# KiCad board panel.kicad_pcb (continued)
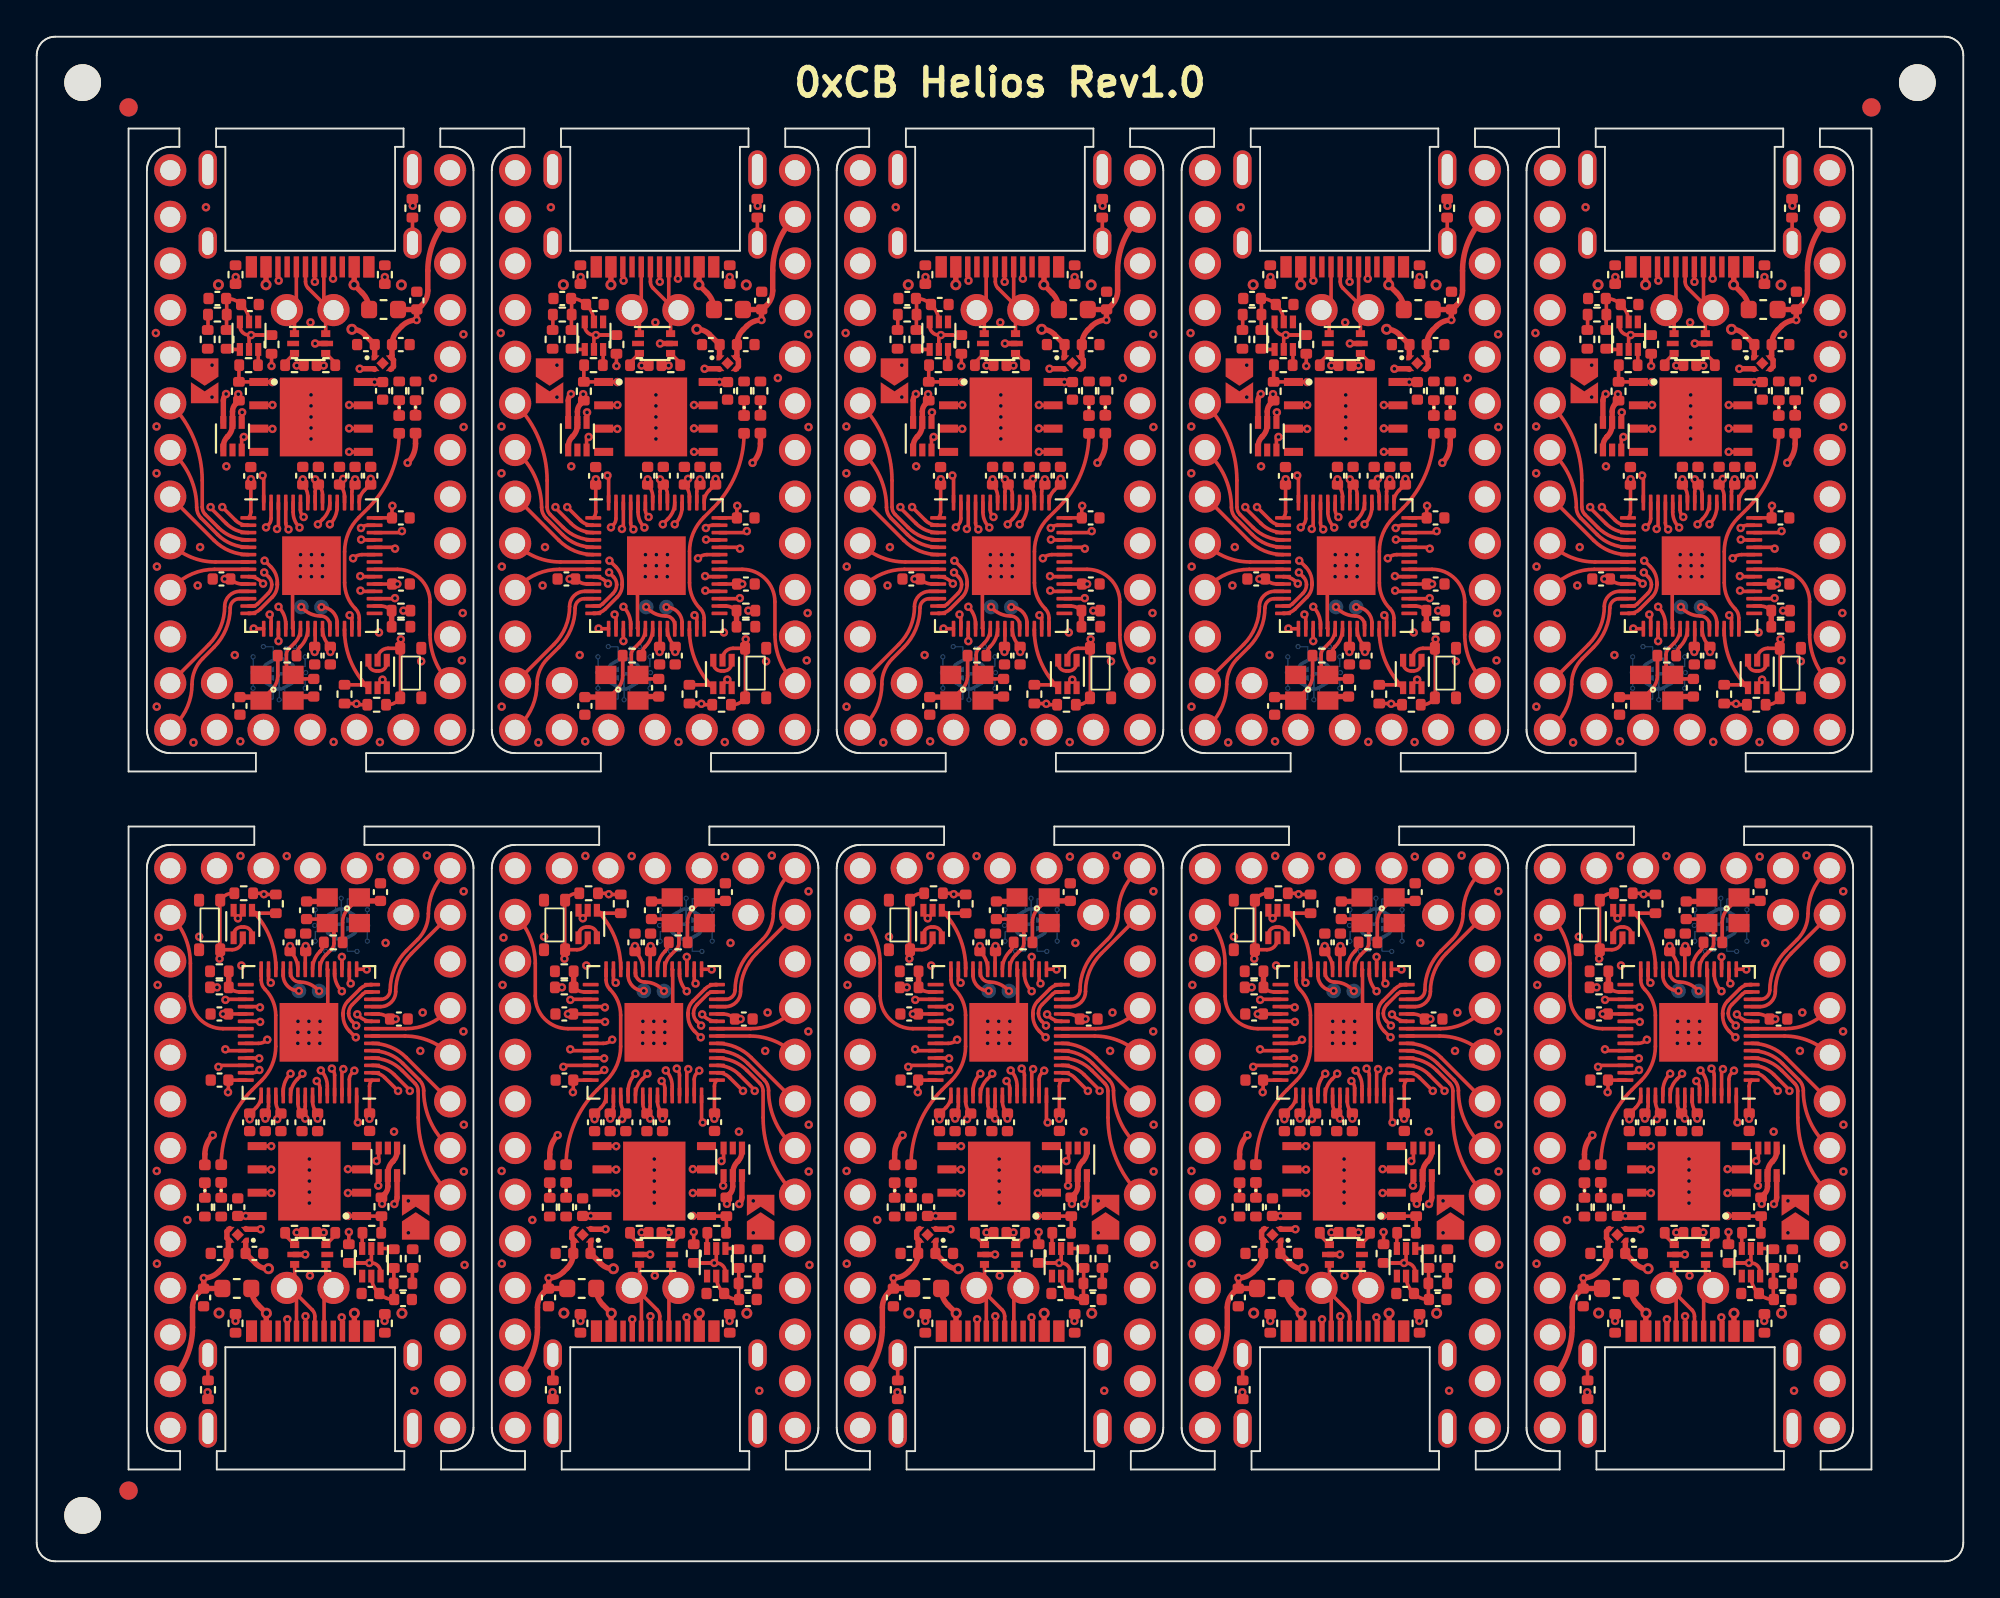
[diagram p0: board, top side]
## Routing (per net, layer and track width the routed paths; a pad name or vN(x,y) marks a point on that pad's centre or on a via; arc(x,y) is an arc through that point) (continued)
Board_3-/LED: length 11.7
  Top w0.2: U4#8.28 73.9,51.38 arc(73.85,51.65) 73.69,51.88 arc(73.26,52.53) 73.11,53.3 73.11,55 arc(73.3,56) 73.87,56.85 74.39,57.36 arc(75.64,59.23) D2#9.2
Board_3-/PORT+: length 7.1
  Top w0.2: v1(71.48,69.69) 71.47,69.7 J1#8.A6 ; J1#8.B6 70.47,68.67 J2#4.34 70.38,67.74 U1#4.1
  In1.Cu w0.2: v1(71.48,69.69) 71.48,69.51 70.12,68.15 J2#4.34
Board_3-/PORT-: length 7.1
  Top w0.2: J1#8.B7 71.97,68.68 J2#4.33 ; J2#4.33 72.31,68.15 71.12,69.34 arc(71.01,69.51) 70.97,69.7 J1#8.A7 ; J2#4.33 72.08,67.73 72.08,66.87
Board_3-/QSPI_CLK: length 11.3
  Top w0.2: v1(73.35,61.71) 73.36,61.7 U3#2.6 ; U4#8.52 70.3,57.15 arc(70.39,56.69) v1(70.65,56.31)
  In2.Cu w0.2: v1(70.65,56.31) 70.65,56.41 arc(70.19,57.1) 70.03,57.91 70.03,59.19 arc(70.2,59.61) 70.62,59.78 73.32,59.78 arc(73.68,59.93) 73.82,60.28 73.82,60.56 arc(73.7,61.18) v1(73.35,61.71)
Board_3-/QSPI_CS: length 9.6
  Top w0.2: v1(69.17,64.23) 69.17,64.24 U3#2.1 68.42,64.24 R11#10.2 67.35,65.14 R9#10.1 ; 68.7,57.69 68.7,59.08 v1(68.64,59.14)
  In2.Cu w0.2: v1(68.64,59.14) arc(68.46,59.4) 68.4,59.7 68.4,62.36 arc(68.6,63.37) v1(69.17,64.23)
Board_3-/QSPI_SD0: length 11.3
  Top w0.2: U4#8.53 69.9,56.56 arc(69.94,56.37) 70.05,56.21 v1(70.05,56.21) ; U3#2.5 73.36,60.43 v1(73.35,60.43)
  In2.Cu w0.2: v1(73.35,60.43) 73.29,60.37 arc(72.97,60.15) 72.59,60.08 arc(72.49,60.12) 72.44,60.23 72.44,60.48 arc(72.4,60.59) 72.3,60.63 arc(72.19,60.59) 72.14,60.48 72.14,60.23 arc(72.1,60.12) 72,60.08 arc(71.89,60.12) 71.84,60.23 71.84,60.48 arc(71.8,60.59) 71.69,60.63 arc(71.59,60.59) 71.55,60.48 71.55,60.23 arc(71.5,60.12) 71.39,60.08 70.56,60.08 arc(69.97,59.83) 69.72,59.24 69.72,57.06 arc(69.81,56.64) 70.05,56.28 v1(70.05,56.21)
Board_3-/QSPI_SD1: length 11.4
  Top w0.2: v1(68.83,56.32) 68.95,56.44 arc(69.06,56.61) 69.1,56.8 U4#8.55 ; v1(69.17,62.98) 69.16,62.97 U3#2.2
  In2.Cu w0.2: v1(68.83,56.32) 68.99,56.48 arc(69.09,56.63) 69.12,56.8 arc(69.08,56.91) 68.97,56.95 68.88,56.95 arc(68.77,56.99) 68.72,57.1 arc(68.77,57.21) 68.88,57.25 68.97,57.25 arc(69.08,57.29) 69.12,57.4 arc(69.08,57.51) 68.97,57.55 68.88,57.55 arc(68.77,57.59) 68.72,57.7 arc(68.77,57.81) 68.88,57.85 68.97,57.85 arc(69.08,57.89) 69.12,58 arc(69.08,58.11) 68.97,58.15 68.88,58.15 arc(68.77,58.19) 68.72,58.3 arc(68.77,58.41) 68.88,58.45 68.97,58.45 arc(69.08,58.49) 69.12,58.6 69.12,59.16 arc(69.09,59.35) 68.98,59.51 68.85,59.64 arc(68.74,59.81) 68.7,60 68.7,60.34 arc(68.74,60.44) 68.85,60.49 68.95,60.49 arc(69.06,60.53) 69.1,60.64 arc(69.06,60.74) 68.95,60.79 68.85,60.79 arc(68.74,60.83) 68.7,60.94 68.7,61.84 arc(68.82,62.45) v1(69.17,62.98)
Board_3-/QSPI_SD2: length 11.3
  Top w0.2: v1(69.17,61.68) 69.16,61.7 U3#2.3 ; v1(69.42,56.23) 69.5,56.31 U4#8.54
  In2.Cu w0.2: v1(69.42,56.23) 69.42,60.23 arc(69.47,60.34) 69.58,60.38 70.28,60.38 arc(70.38,60.42) 70.42,60.53 arc(70.38,60.64) 70.28,60.68 69.58,60.68 arc(69.47,60.72) 69.42,60.83 arc(69.47,60.94) 69.58,60.98 70.28,60.98 arc(70.38,61.02) 70.42,61.13 arc(70.38,61.24) 70.28,61.28 69.58,61.28 arc(69.47,61.32) 69.42,61.43 v1(69.17,61.68)
Board_3-/QSPI_SD3: length 11.4
  Top w0.2: v1(73.35,62.98) 73.36,62.97 U3#2.7 ; v1(70.88,56.88) 70.85,56.91 arc(70.74,57.07) 70.7,57.26 U4#8.51
  In2.Cu w0.2: v1(70.88,56.88) arc(70.47,57.49) 70.33,58.2 70.33,59.13 arc(70.42,59.36) 70.66,59.46 73.34,59.46 arc(73.92,59.7) 74.17,60.28 74.17,61.01 arc(73.95,62.08) v1(73.35,62.98)
Board_3-/RESET: length 24.4
  Top w0.2: 76.15,49.73 76.15,50.21 v1(76.17,50.22) ; 76.15,49.73 76.15,47.24 arc(76.11,47.05) 76,46.88 arc(75.75,46.71) 75.45,46.66 R1.2 ; 76.15,49.73 75.48,49.73 arc(75.07,49.56) 74.9,49.15 Q1#6.2
  In2.Cu w0.2: J2#4.28 arc(77.71,66.44) 77.31,64.43 77.31,52.98 arc(77.01,51.49) v1(76.17,50.22)
Board_3-/RGB_5V: length 17.5
  Top w0.2: U5#3.4 67.5,62.56 v1(67.53,62.58)
  In2.Cu w0.2: J2#4.32 arc(66.46,49.38) 67.34,50.7 69.25,52.6 arc(69.6,53.12) 69.72,53.73 arc(69.61,54.28) 69.3,54.75 68.03,56.02 arc(67.37,57) 67.14,58.16 67.14,61.65 arc(67.24,62.15) v1(67.53,62.58)
Board_3-/RGB_DO: length 15.4
  Top w0.2: U4#8.37 74.05,54.83 arc(73.79,54.78) v1(73.56,54.63) ; U5#3.3 67.5,61.13 v1(67.61,61.24)
  In1.Cu w0.2: v1(73.56,54.63) 73.22,54.98 arc(72.52,55.44) 71.7,55.6 68.46,55.6 arc(68.01,55.79) 67.82,56.25 67.82,56.76 arc(67.67,57.53) 67.23,58.18 66.46,58.96 arc(66.04,59.58) 65.89,60.31 arc(66.17,60.97) 66.82,61.24 v1(67.61,61.24)
Board_3-/RST: length 4.9
  Top w0.2: U4#8.26 73.1,50.72 arc(73.44,49.02) Q1#6.4 74.39,47.59 arc(74.22,47.7) 74.03,47.74 R3#3.2
Board_3-/SWD_CLK: length 2.2
  Top w0.2: U4#8.24 72.3,50.99 arc(72.15,51.34) 71.8,51.49 arc(71.28,51.59) 70.84,51.89 v1(70.75,51.98)
Board_3-/SWD_IO: length 1.7
  Top w0.2: U4#8.25 72.7,51.12 arc(72.45,51.72) v1(71.84,51.97)
Board_3-/USB+: length 0.9
  Top w0.2: R12#8.1 69.86,65.28 U1#4.3
Board_3-/USB-: length 0.9
  Top w0.2: R13#5.1 72.59,65.27 72.08,65.79
Board_3-GND: length 7.7
  Top w0.2: U4#8.19 70.27,50.82 70.27,53.2 v1(71.3,54.23) ; Q1#6.1 75.4,48.92 arc(75.27,48.62) 74.97,48.5 74.83,48.5 arc(74.53,48.62) 74.4,48.92 Q1#6.3
  Top w0.3: Y1#6.2 70.52,47.1 C7#9.1 ; v1(73.92,64.96) 74.7,64.96 U2#5.2
  vias: v1(62.83,66.9) v1(62.86,61.81) v1(62.86,59.26) v1(62.89,54.18) v1(62.88,46.55) v1(64.88,44.6) v1(65.11,53.15) v1(65.23,55.24) v1(65.56,73.75) v1(67.12,49.36) v1(67.42,44.66) v1(70.7,54.83) v1(70.7,54.23) v1(70.69,53.63) v1(71.25,67.48) v1(71.28,63.53) v1(71.28,62.93) v1(71.28,62.33) v1(71.28,61.73) v1(71.28,61.13) v1(71.3,54.83) v1(71.3,53.63) v1(71.91,54.83) v1(71.9,54.23) v1(71.89,53.63) v1(72.5,44.63) v1(74.97,50.59) v1(75.03,44.62) v1(76.81,73.83) v1(77.28,49.02) v1(77.92,64.45) v1(79.53,51.65) v1(79.48,49.07) v1(79.58,66.83) v1(79.58,61.78) v2(66.23,69.53) v2(76.19,69.52)
Board_3-Net-(C1-Pad1): length 3.7
  Top w0.2: 66.67,67.06 66.67,67.9 R5#3.1 66.69,68.75 C1#9.1 66.69,68.78 arc(67.11,68.7) C2#10.1 67.53,68.39 arc(67.8,67.99) Q2#4.5
Board_3-Net-(C7-Pad2): length 4.1
  Top w0.2: C7#9.2 70.52,48.06 Y1#6.3 70.08,48.5 arc(69.97,48.66) 69.94,48.85 69.94,49.38 arc(69.97,49.56) 70.07,49.71 70.38,50.02 arc(70.62,50.37) U4#8.20
Board_3-Net-(C8-Pad2): length 4
  Top w0.2: Y1#6.1 69.15,47.48 arc(69.38,47.83) 69.47,48.24 R14#8.1
  Top w0.3: C8#3.2 68.36,47.07 Y1#6.1
Board_3-Net-(D1-Pad1): length 0.8
  Top w0.2: D1#9.1 R10#8.1
Board_3-Net-(D1-Pad2): length 24.6
  Top w0.2: v1(65.89,63.41) 65.65,63.41 JP1#6.2
  Top w0.3: D1#9.2 76.97,60.87 arc(76.85,60.31) v1(76.53,59.83)
  In1.Cu w0.2: v1(76.53,59.83) 76.51,59.83 73.67,56.99 arc(73.31,56.12) 73.67,55.25 73.91,55.01 arc(74.05,54.65) 73.91,54.3 73.89,54.28 arc(73.54,54.14) 73.18,54.28 72.47,54.99 arc(72.13,55.22) 71.72,55.3 68.44,55.3 arc(67.79,55.58) 67.52,56.23 67.52,56.62 arc(67.36,57.41) 66.91,58.08 66.16,58.83 arc(65.74,59.46) 65.59,60.2 65.59,62.71 arc(65.67,63.09) v1(65.89,63.41)
Board_3-Net-(D2-Pad1): length 0.8
  Top w0.2: D2#9.1 R15#8.1
Board_3-Net-(FB1-Pad1): length 1.4
  Top w0.2: J1#8.S1 76.8,73.19 FB1#9.1
Board_3-Net-(J1-PadA5): length 4
  Top w0.2: J1#8.A5 v1(72.47,69.86) ; R7#6.2 v1(75.3,69.95)
  In1.Cu w0.2: v1(72.47,69.86) 72.67,70.05 75.19,70.05 v1(75.3,69.95)
Board_3-Net-(J1-PadB5): length 3.7
  Top w0.2: R8#10.2 67.17,69.94 v1(67.17,69.95) ; J1#8.B5 69.47,69.79 v1(69.51,69.75)
  In1.Cu w0.2: v1(69.51,69.75) 69.21,70.05 67.28,70.05 v1(67.17,69.95)
Board_3-Net-(Q1-Pad5): length 28.5
  Top w0.2: R2#9.2 68.65,66.79 ; 68.65,66.79 67.9,66.79 arc(67.55,66.94) 67.4,67.29 Q2#4.6 ; 68.65,66.79 v1(68.01,66.79) 67.9,66.68 Q2#4.2 ; Q1#6.6 75.4,47.79 v1(75.17,48.02) 74.9,47.76 Q1#6.5
  In2.Cu w0.2: v1(75.17,48.02) 75.16,48.02 73.42,48.02 arc(71.01,49.02) 70.02,51.42 70.02,53.82 arc(69.9,54.4) 69.57,54.9 68.32,56.15 arc(67.67,57.12) 67.44,58.27 67.44,59.25 arc(67.53,59.72) 67.8,60.12 arc(68.02,60.45) 68.1,60.84 68.1,63.41 arc(68.05,63.64) 67.92,63.84 67.89,63.88 arc(67.78,64.04) 67.74,64.23 67.74,66.31 arc(67.78,66.5) 67.89,66.67 v1(68.01,66.79)
Board_3-Net-(Q2-Pad1): length 0.7
  Top w0.2: Q2#4.1 66.72,66.01 R4#6.1
Board_3-Net-(R5-Pad2): length 0.8
  Top w0.2: R5#3.2 65.67,67.08 65.65,67.06
Board_3-Net-(R14-Pad2): length 1.6
  Top w0.2: U4#8.21 arc(71,50.27) 70.7,49.83 70.68,49.81 arc(70.54,49.59) R14#8.2
Board_3-VBUS: length 28.7
  Top w0.2: v1(76.31,51.78) R16#5.1
  Top w0.3: v2(68.83,69.53) J1#8.A9 ; J1#8.A4 73.62,69.54 v2(73.61,69.53) 74.06,69.08 arc(74.34,68.67) F1#8.1
  In2.Cu w0.2: v2(73.61,69.53) arc(76.13,65.77) 77.01,61.34 77.01,53.48 arc(76.83,52.56) v1(76.31,51.78)
  In2.Cu w0.3: v2(73.61,69.53) arc(73.35,70.18) 72.7,70.45 69.74,70.45 arc(69.09,70.18) v2(68.83,69.53)
Board_4-+1V1: length 15.6
  Top w0.2: v1(91.11,49.53) C19#10.1 91.07,49.84 arc(90.78,50.28) U4.23 ; U4.45 91.88,57.99 arc(91.81,58.35) C10#5.2 ; v1(89.61,58.93) C17#7.1 arc(89.81,58.35) 89.88,57.99 U4.50
  In2.Cu w0.2: v1(89.61,58.93) 90.68,57.86 ; 90.68,57.86 91.1,57.43 arc(91.47,56.88) 91.61,56.22 91.61,50.74 arc(91.48,50.08) v1(91.11,49.53) ; 90.68,57.86 90.7,57.86 v1(91.81,58.96)
Board_4-+3V3: length 20.9
  Top w0.2: R11#7.1 86.13,63.54 v1(86.09,63.57) ; U3#9.8 93.51,64.24 v1(93.52,64.23) C6#7.1 ; C14#4.1 90.45,58.76 v1(90.28,58.93) ; C14#4.1 90.43,58.62 arc(90.32,58.46) 90.28,58.27 U4.49 ; C14#4.1 arc(90.62,58.4) 90.68,58.11 U4.48 ; 86.78,58.35 86.78,57.16 arc(86.74,56.98) U4.1 ; v1(86.78,58.94) 86.78,58.93 C16#10.1 ; R2#3.1 v1(87.91,65.11) ; v1(94.75,53.23) C12#7.1 93.49,53.23 ; v1(94.48,57.49) 94.47,57.47 C13#8.1 93.49,56.83 ; v1(85.36,53.51) C15#5.1 arc(85.96,53.3) 86.32,53.23 U4.10 ; R1#2.1 92.58,46.66 v1(92.53,46.71) 92.52,46.72 R3#4.1 ; v1(92.45,58.93) C9#9.2 92.43,58.62 arc(92.32,58.46) 92.28,58.27 U4.44 ; U4.22 90.28,49.84 C11#2.1 ; v1(93.31,58.96) 93.31,58.68 92.95,58.33 arc(92.75,58.03) U4.43
  Top w0.3: C5#3.1 92.97,66.83 arc(92.65,67.04) 92.28,67.11 ; U2#9.1 93.52,66.27 ; R11#7.1 85.95,63.04 arc(85.83,62.85) 85.78,62.62 U5#6.5 85.78,61.91 arc(85.71,61.56) 85.51,61.26 85.5,61.25 arc(85.34,61.01) 85.28,60.72 U5#6.1
  vias: v1(84.67,65.15) v1(85.44,59.64) v1(90.25,49.53) v2(92.28,67.11)
Board_4-+5V: length 25.3
  Top w0.3: U2#9.3 94.54,65.07 94.54,65.44 U2#9.4 94.47,65.67 C4#6.1 arc(94.55,66.7) 94.8,67.07 95,67.28 arc(95.37,67.52) v1(95.81,67.61) 95.81,68.18 ; 95.81,68.18 F1#6.2 ; 95.81,68.18 C3#9.1 95.86,68.19 96.08,68.41 arc(96.33,68.78) 96.42,69.21 96.42,70.3 arc(96.73,71.88) J2#8.30 ; v1(85.43,63.58) 85.43,63.58 arc(85.32,63.41) 85.28,63.22 U5#6.6 ; U1#7.5 v1(90.28,66.33)
  In1.Cu w0.3: v1(85.43,63.58) arc(86.21,65.47) 88.11,66.26 90.2,66.26 v1(90.28,66.33) 90.36,66.25 92.52,66.25 arc(94.3,66.6) v1(95.81,67.61)
Board_4-/0_TX0: length 18.4
  Top w0.2: v1(85.22,57.42) 85.95,56.7 arc(86.24,56.5) 86.59,56.43 U4.2
  In1.Cu w0.2: J2#8.2 82.39,72.66 arc(82.43,72.47) 82.54,72.31 82.57,72.27 arc(83.46,70.94) 83.78,69.36 83.78,60.13 arc(83.96,59.22) 84.47,58.45 85.03,57.89 arc(85.17,57.67) v1(85.22,57.42)
Board_4-/1_RX0: length 16.4
  Top w0.2: v1(84.58,57.42) 84.58,57.38 85.43,56.53 arc(85.99,56.16) U4.3
  In1.Cu w0.2: v1(84.58,57.42) 84.58,57.44 arc(84.5,57.88) 84.25,58.24 arc(83.68,59.11) 83.47,60.12 83.47,68.07 arc(83.19,69.49) J2#8.3
Board_4-/2_SDA1: length 9.4
  Top w0.2: U4.4 arc(85.76,55.81) 85.01,56.31 84.3,57.01 arc(84.17,57.2) 84.13,57.43 84.13,58.87 arc(83.68,61.14) J2#8.6
Board_4-/3_SCL1: length 7.3
  Top w0.2: J2#8.7 82.64,60.28 arc(83.52,58.96) 83.83,57.4 arc(83.89,57.09) 84.07,56.82 84.97,55.92 arc(85.74,55.41) U4.5
Board_4-/4: length 5.4
  Top w0.2: J2#8.8 84.78,55.6 arc(85.63,55.03) U4.6
Board_4-/5: length 4.5
  Top w0.2: U4.7 84.85,54.43 arc(83.52,54.7) J2#8.9
Board_4-/6: length 4.6
  Top w0.2: J2#8.10 82.6,53.12 arc(83.61,53.79) 84.8,54.03 U4.8
Board_4-/7: length 6.9
  Top w0.2: v1(87.44,53.25) 87.34,53.35 arc(87.04,53.56) 86.68,53.63 U4.9
  In2.Cu w0.2: v1(87.44,53.25) 86.1,51.91 arc(84.4,50.77) J2#8.11
Board_4-/8: length 7
  Top w0.2: U4.11 86.18,52.83 arc(85.6,52.59) 85.36,52.01 arc(85.13,50.89) 84.5,49.94 J2#8.12
Board_4-/9: length 8.9
  Top w0.2: U4.12 86.16,52.43 arc(85.8,52.28) 85.66,51.93 arc(85.42,50.77) 84.76,49.78 84.16,49.17 arc(83.73,48.53) 83.58,47.77 arc(83.34,46.57) 82.66,45.56 J2#8.13
Board_4-/10: length 26.5
  Top w0.2: v1(87.5,53.86) 87.74,53.62 arc(87.87,53.43) 87.92,53.2 arc(87.87,52.94) 87.72,52.72 87.15,52.15 arc(87.02,52.06) 86.87,52.03 U4.13
  In2.Cu w0.2: v1(87.5,53.86) 87.47,53.86 84.19,57.14 arc(83.78,57.76) 83.64,58.48 83.64,72.76 arc(83.31,74.39) J2#8.1
Board_4-/11: length 38
  Top w0.2: v1(87.53,54.5) 87.54,54.5 87.86,54.17 arc(88.13,53.78) 88.22,53.31 88.22,53.18 arc(88.15,52.82) 87.94,52.51 87.29,51.86 arc(87.03,51.69) 86.73,51.63 U4.14
  In1.Cu w0.2: v1(87.53,54.5) 87.53,54.69 arc(87.43,54.91) 87.21,55 arc(86.35,55.36) 86,56.22 86,56.45 arc(85.83,57.28) 85.36,57.98 84.7,58.64 arc(84.24,59.34) 84.08,60.16 84.08,68.65 arc(84.63,69.98) 85.96,70.53 95.24,70.53 arc(96.07,70.87) 96.42,71.71 96.42,72.84 arc(96.73,74.42) J2#8.31
Board_4-/12: length 6.6
  Top w0.2: U4.15 86.94,50.79 v1(86.93,50.81)
  In1.Cu w0.2: v1(86.93,50.81) 86.93,50.12 arc(86.41,47.51) J2#8.14
Board_4-/13: length 7.2
  Top w0.2: v1(87.81,51.57) 87.88,51.5 U4.16
  In1.Cu w0.2: J2#8.15 87.47,50.76 arc(87.56,51.2) v1(87.81,51.57)
Board_4-/14: length 6
  Top w0.2: U4.17 88.28,50.13 v1(88.28,50.12)
  In1.Cu w0.2: v1(88.28,50.12) 88.28,49.45 arc(88.73,47.2) J2#8.16
Board_4-/15: length 9.5
  Top w0.2: U4.18 88.68,51.04 arc(88.58,51.55) v1(88.28,51.99)
  In1.Cu w0.2: J2#8.17 90.01,47.83 arc(89.18,49.08) 88.89,50.54 arc(88.73,51.33) v1(88.28,51.99)
Board_4-/16: length 7.9
  Top w0.2: U4.27 92.28,51.41 v1(92.16,51.53)
  In1.Cu w0.2: J2#8.18 94.49,45.89 arc(92.76,48.48) v1(92.16,51.53)
Board_4-/20_SDI: length 4.9
  Top w0.2: v1(94.62,52.46) 94.59,52.43 U4.31
  In1.Cu w0.2: J2#8.21 96.19,51.81 arc(95.47,52.29) v1(94.62,52.46)
Board_4-/21_CS: length 10.1
  Top w0.2: U4.32 92.78,52.83 v1(92.75,52.87)
  In1.Cu w0.2: J2#8.19 94.73,48.19 arc(93.43,50.02) 92.8,52.16 92.8,52.82 v1(92.75,52.87)
Board_4-/22_SCK: length 5.9
  Top w0.2: U4.34 92.77,53.63 v1(92.73,53.66)
  In1.Cu w0.2: v1(92.73,53.66) 92.78,53.7 95.71,53.7 arc(96.75,53.5) J2#8.22
Board_4-/23_SDO: length 8.7
  Top w0.2: U4.35 94.76,54.03 arc(96.01,53.51) 96.53,52.25 96.53,50.47 arc(96.82,49.04) J2#8.20
Board_4-/A0: length 4.2
  Top w0.2: U4.38 94.56,55.23 v1(94.63,55.16)
  In1.Cu w0.2: v1(94.63,55.16) 96.92,55.16 arc(97.3,55.23) J2#8.23
Board_4-/A1: length 6.5
  Top w0.2: U4.39 92.81,55.63 v1(92.78,55.65)
  In1.Cu w0.2: v1(92.78,55.65) 92.81,55.63 94.9,55.63 arc(95.24,55.7) 95.53,55.89 J2#8.24
Board_4-/A2: length 6.8
  Top w0.2: v1(95,56.11) 94.92,56.03 U4.40
  In1.Cu w0.2: J2#8.25 96.27,59.17 arc(95.33,57.77) v1(95,56.11)
Board_4-/A3: length 9.4
  Top w0.2: U4.41 93.13,56.43 arc(92.94,56.39) 92.78,56.28 v1(92.78,56.28)
  In1.Cu w0.2: J2#8.26 96.76,62.2 arc(96.47,61.76) 96.36,61.24 arc(96.14,60.13) 95.52,59.19 92.78,56.45 v1(92.78,56.28)
Board_4-/BOOT: length 0.7
  Top w0.2: 87.18,65.28 Q2#5.3
Board_4-/D+: length 11.1
  Top w0.2: R12#4.2 89.3,65.15 v1(89.28,65.13) ; v1(90.43,56.48) 90.43,56.5 90.71,56.78 arc(90.98,57.19) U4.47
  In1.Cu w0.2: v1(90.43,56.48) 90.43,56.5 arc(90.67,56.86) 90.75,57.28 90.75,62.86 arc(90.63,63.5) 90.26,64.05 89.25,65.06 89.25,65.11 v1(89.28,65.13)
Board_4-/D-: length 11.2
  Top w0.2: 90.36,65.15 90.72,65.15 v1(90.75,65.13) ; U4.46 91.48,57.45 arc(91.38,56.92) v1(91.08,56.48)
  In1.Cu w0.2: v1(90.75,65.13) 90.91,64.96 arc(91.04,64.78) 91.08,64.56 arc(91.04,64.45) 90.93,64.41 90.74,64.41 arc(90.64,64.36) 90.59,64.26 arc(90.64,64.15) 90.74,64.11 90.93,64.11 arc(91.04,64.06) 91.08,63.96 v1(91.08,56.48)
Board_4-/LED: length 11.7
  Top w0.2: U4.28 92.68,51.38 arc(92.63,51.65) 92.47,51.88 arc(92.04,52.53) 91.89,53.3 91.89,55 arc(92.08,56) 92.65,56.85 93.17,57.36 arc(94.42,59.23) D2#6.2
Board_4-/PORT+: length 7.1
  Top w0.2: J1#3.B6 89.25,68.67 J2#8.34 89.16,67.74 U1#7.1 ; J1#3.A6 90.25,69.7 v1(90.27,69.69)
  In1.Cu w0.2: v1(90.27,69.69) 90.27,69.51 88.91,68.15 J2#8.34
Board_4-/PORT-: length 7.1
  Top w0.2: J1#3.A7 89.75,69.7 arc(89.79,69.51) 89.9,69.34 91.09,68.15 J2#8.33 ; J2#8.33 90.75,68.68 J1#3.B7 ; J2#8.33 90.86,67.73 90.86,66.87
Board_4-/QSPI_CLK: length 11.3
  Top w0.2: v1(92.13,61.71) 92.14,61.7 U3#9.6 ; U4.52 89.08,57.15 arc(89.17,56.69) v1(89.43,56.31)
  In2.Cu w0.2: v1(89.43,56.31) 89.43,56.41 arc(88.97,57.1) 88.81,57.91 88.81,59.19 arc(88.98,59.61) 89.4,59.78 92.1,59.78 arc(92.46,59.93) 92.6,60.28 92.6,60.56 arc(92.48,61.18) v1(92.13,61.71)
Board_4-/QSPI_CS: length 9.6
  Top w0.2: 87.48,57.69 87.48,59.08 v1(87.42,59.14) ; R9#7.1 86.13,65.14 R11#7.2 87.2,64.24 U3#9.1 87.95,64.24 v1(87.95,64.23)
  In2.Cu w0.2: v1(87.42,59.14) arc(87.24,59.4) 87.18,59.7 87.18,62.36 arc(87.38,63.37) v1(87.95,64.23)
Board_4-/QSPI_SD0: length 11.3
  Top w0.2: U3#9.5 92.14,60.43 v1(92.13,60.43) ; v1(88.83,56.21) 88.83,56.21 arc(88.72,56.37) 88.68,56.56 U4.53
  In2.Cu w0.2: v1(92.13,60.43) 92.07,60.37 arc(91.75,60.15) 91.38,60.08 arc(91.27,60.12) 91.22,60.23 91.22,60.48 arc(91.18,60.59) 91.08,60.63 arc(90.97,60.59) 90.92,60.48 90.92,60.23 arc(90.88,60.12) 90.78,60.08 arc(90.67,60.12) 90.62,60.23 90.62,60.48 arc(90.58,60.59) 90.47,60.63 arc(90.37,60.59) 90.33,60.48 90.33,60.23 arc(90.28,60.12) 90.17,60.08 89.34,60.08 arc(88.75,59.83) 88.5,59.24 88.5,57.06 arc(88.59,56.64) 88.83,56.28 v1(88.83,56.21)
Board_4-/QSPI_SD1: length 11.4
  Top w0.2: U3#9.2 87.94,62.97 v1(87.95,62.98) ; U4.55 87.88,56.8 arc(87.84,56.61) 87.73,56.44 v1(87.61,56.32)
  In2.Cu w0.2: v1(87.61,56.32) 87.77,56.48 arc(87.87,56.63) 87.91,56.8 arc(87.86,56.91) 87.75,56.95 87.66,56.95 arc(87.55,56.99) 87.5,57.1 arc(87.55,57.21) 87.66,57.25 87.75,57.25 arc(87.86,57.29) 87.91,57.4 arc(87.86,57.51) 87.75,57.55 87.66,57.55 arc(87.55,57.59) 87.5,57.7 arc(87.55,57.81) 87.66,57.85 87.75,57.85 arc(87.86,57.89) 87.91,58 arc(87.86,58.11) 87.75,58.15 87.66,58.15 arc(87.55,58.19) 87.5,58.3 arc(87.55,58.41) 87.66,58.45 87.75,58.45 arc(87.86,58.49) 87.91,58.6 87.91,59.16 arc(87.87,59.35) 87.76,59.51 87.63,59.64 arc(87.52,59.81) 87.48,60 87.48,60.34 arc(87.52,60.44) 87.63,60.49 87.73,60.49 arc(87.84,60.53) 87.88,60.64 arc(87.84,60.74) 87.73,60.79 87.63,60.79 arc(87.52,60.83) 87.48,60.94 87.48,61.84 arc(87.6,62.45) v1(87.95,62.98)
Board_4-/QSPI_SD2: length 11.3
  Top w0.2: U4.54 88.28,56.31 v1(88.2,56.23) ; U3#9.3 87.94,61.7 v1(87.95,61.68)
  In2.Cu w0.2: v1(88.2,56.23) 88.2,60.23 arc(88.25,60.34) 88.36,60.38 89.06,60.38 arc(89.16,60.42) 89.2,60.53 arc(89.16,60.64) 89.06,60.68 88.36,60.68 arc(88.25,60.72) 88.2,60.83 arc(88.25,60.94) 88.36,60.98 89.06,60.98 arc(89.16,61.02) 89.2,61.13 arc(89.16,61.24) 89.06,61.28 88.36,61.28 arc(88.25,61.32) 88.2,61.43 v1(87.95,61.68)
Board_4-/QSPI_SD3: length 11.4
  Top w0.2: U4.51 89.48,57.26 arc(89.52,57.07) 89.63,56.91 v1(89.66,56.88) ; U3#9.7 92.14,62.97 v1(92.13,62.98)
  In2.Cu w0.2: v1(89.66,56.88) arc(89.25,57.49) 89.11,58.2 89.11,59.13 arc(89.2,59.36) 89.44,59.46 92.12,59.46 arc(92.7,59.7) 92.94,60.28 92.94,61.01 arc(92.73,62.08) v1(92.13,62.98)
Board_4-/RESET: length 24.4
  Top w0.2: 94.93,49.73 94.26,49.73 arc(93.85,49.56) 93.68,49.15 Q1#10.2 ; 94.93,49.73 94.93,50.21 v1(94.94,50.22) ; 94.93,49.73 94.93,47.24 arc(94.89,47.05) 94.78,46.88 arc(94.53,46.71) 94.23,46.66 R1#2.2
  In2.Cu w0.2: J2#8.28 arc(96.49,66.44) 96.09,64.43 96.09,52.98 arc(95.79,51.49) v1(94.94,50.22)
Board_4-/RGB_5V: length 17.5
  Top w0.2: U5#6.4 86.28,62.56 v1(86.31,62.58)
  In2.Cu w0.2: J2#8.32 arc(85.24,49.38) 86.12,50.7 88.03,52.6 arc(88.38,53.12) 88.5,53.73 arc(88.39,54.28) 88.08,54.75 86.81,56.02 arc(86.15,57) 85.92,58.16 85.92,61.65 arc(86.02,62.15) v1(86.31,62.58)
Board_4-/RGB_DO: length 15.4
  Top w0.2: v1(86.39,61.24) 86.28,61.13 U5#6.3 ; U4.37 92.83,54.83 arc(92.57,54.78) v1(92.34,54.63)
  In1.Cu w0.2: v1(86.39,61.24) 85.6,61.24 arc(84.95,60.97) 84.67,60.31 arc(84.82,59.58) 85.24,58.96 86.01,58.18 arc(86.45,57.53) 86.6,56.76 86.6,56.25 arc(86.79,55.79) 87.24,55.6 90.48,55.6 arc(91.3,55.44) 92,54.98 v1(92.34,54.63)
Board_4-/RST: length 4.9
  Top w0.2: U4.26 91.88,50.72 arc(92.22,49.02) Q1#10.4 93.17,47.59 arc(93,47.7) 92.81,47.74 R3#4.2
Board_4-/SWD_CLK: length 2.2
  Top w0.2: v1(89.53,51.98) 89.62,51.89 arc(90.06,51.59) 90.58,51.49 arc(90.93,51.34) 91.08,50.99 U4.24
Board_4-/SWD_IO: length 1.7
  Top w0.2: U4.25 91.48,51.12 arc(91.23,51.72) v1(90.62,51.97)
Board_4-/USB+: length 0.9
  Top w0.2: R12#4.1 88.64,65.28 U1#7.3
Board_4-/USB-: length 0.9
  Top w0.2: 90.86,65.79 91.38,65.27 R13.1
Board_4-GND: length 7.7
  Top w0.2: v1(90.08,54.23) 89.05,53.2 89.05,50.82 U4.19 ; Q1#10.3 93.18,48.92 arc(93.31,48.62) 93.61,48.5 93.75,48.5 arc(94.05,48.62) 94.18,48.92 Q1#10.1
  Top w0.3: v1(92.7,64.96) 93.48,64.96 U2#9.2 ; C7#10.1 89.3,47.1 Y1#3.2
  vias: v1(81.61,66.9) v1(81.64,61.81) v1(81.64,59.26) v1(81.67,54.18) v1(81.66,46.55) v1(83.66,44.6) v1(83.89,53.15) v1(84.02,55.24) v1(84.33,73.75) v1(85.91,49.36) v1(86.2,44.66) v1(89.48,54.83) v1(89.48,54.23) v1(89.47,53.63) v1(90.03,67.48) v1(90.06,63.53) v1(90.06,62.93) v1(90.06,62.33) v1(90.06,61.73) v1(90.06,61.13) v1(90.08,54.83) v1(90.08,53.63) v1(90.69,54.83) v1(90.68,54.23) v1(90.67,53.63) v1(91.28,44.63) v1(93.75,50.59) v1(93.81,44.62) v1(95.59,73.83) v1(96.06,49.02) v1(96.69,64.45) v1(98.31,51.65) v1(98.27,49.07) v1(98.36,66.83) v1(98.36,61.78) v2(85.02,69.53) v2(94.97,69.52)
Board_4-Net-(C1-Pad1): length 3.7
  Top w0.2: 85.45,67.06 85.45,67.9 R5#4.1 85.47,68.75 C1#3.1 85.47,68.78 arc(85.89,68.7) C2#6.1 86.31,68.39 arc(86.58,67.99) Q2#5.5
Board_4-Net-(C7-Pad2): length 4.1
  Top w0.2: C7#10.2 89.3,48.06 Y1#3.3 88.86,48.5 arc(88.75,48.66) 88.72,48.85 88.72,49.38 arc(88.75,49.56) 88.85,49.71 89.16,50.02 arc(89.4,50.37) U4.20
Board_4-Net-(C8-Pad2): length 4
  Top w0.2: R14#7.1 88.25,48.24 arc(88.16,47.83) 87.93,47.48 Y1#3.1
  Top w0.3: Y1#3.1 87.14,47.07 C8#8.2
Board_4-Net-(D1-Pad1): length 0.8
  Top w0.2: D1#8.1 R10.1
Board_4-Net-(D1-Pad2): length 24.6
  Top w0.2: JP1#4.2 84.43,63.41 v1(84.67,63.41)
  Top w0.3: D1#8.2 95.75,60.87 arc(95.63,60.31) v1(95.31,59.83)
  In1.Cu w0.2: v1(95.31,59.83) 95.29,59.83 92.45,56.99 arc(92.09,56.12) 92.45,55.25 92.69,55.01 arc(92.83,54.65) 92.69,54.3 92.67,54.28 arc(92.32,54.14) 91.96,54.28 91.25,54.99 arc(90.91,55.22) 90.5,55.3 87.22,55.3 arc(86.57,55.58) 86.3,56.23 86.3,56.62 arc(86.14,57.41) 85.69,58.08 84.94,58.83 arc(84.52,59.46) 84.38,60.2 84.38,62.71 arc(84.45,63.09) v1(84.67,63.41)
Board_4-Net-(D2-Pad1): length 0.8
  Top w0.2: D2#6.1 R15#6.1
Board_4-Net-(FB1-Pad1): length 1.4
  Top w0.2: J1#3.S1 95.58,73.19 FB1#8.1
Board_4-Net-(J1-PadA5): length 4
  Top w0.2: R7#3.2 v1(94.08,69.95) ; J1#3.A5 v1(91.25,69.86)
  In1.Cu w0.2: v1(94.08,69.95) 93.97,70.05 91.45,70.05 v1(91.25,69.86)
Board_4-Net-(J1-PadB5): length 3.7
  Top w0.2: v1(88.29,69.75) 88.25,69.79 J1#3.B5 ; v1(85.95,69.95) 85.94,69.94 R8#4.2
  In1.Cu w0.2: v1(88.29,69.75) 87.99,70.05 86.06,70.05 v1(85.95,69.95)
Board_4-Net-(Q1-Pad5): length 28.5
  Top w0.2: Q2#5.2 86.68,66.68 v1(86.79,66.79) 87.43,66.79 ; Q2#5.6 86.18,67.29 arc(86.33,66.94) 86.68,66.79 87.43,66.79 ; Q1#10.5 93.68,47.76 v1(93.94,48.02) 94.18,47.79 Q1#10.6 ; 87.43,66.79 R2#3.2
  In2.Cu w0.2: v1(93.94,48.02) 93.94,48.02 92.2,48.02 arc(89.79,49.02) 88.8,51.42 88.8,53.82 arc(88.68,54.4) 88.35,54.9 87.1,56.15 arc(86.45,57.12) 86.22,58.27 86.22,59.25 arc(86.31,59.72) 86.58,60.12 arc(86.8,60.45) 86.88,60.84 86.88,63.41 arc(86.83,63.64) 86.7,63.84 86.67,63.88 arc(86.56,64.04) 86.52,64.23 86.52,66.31 arc(86.56,66.5) 86.67,66.67 v1(86.79,66.79)
Board_4-Net-(Q2-Pad1): length 0.7
  Top w0.2: Q2#5.1 85.5,66.01 R4#7.1
Board_4-Net-(R5-Pad2): length 0.8
  Top w0.2: R5#4.2 84.44,67.08 84.43,67.06
Board_4-Net-(R14-Pad2): length 1.6
  Top w0.2: R14#7.2 arc(89.32,49.59) 89.46,49.81 89.48,49.83 arc(89.78,50.27) U4.21
Board_4-VBUS: length 28.7
  Top w0.2: v1(95.08,51.78) R16#4.1
  Top w0.3: J1#3.A4 92.41,69.54 v2(92.39,69.53) 92.84,69.08 arc(93.12,68.67) F1#6.1 ; v2(87.61,69.53) J1#3.A9
  In2.Cu w0.2: v2(92.39,69.53) arc(94.91,65.77) 95.79,61.34 95.79,53.48 arc(95.61,52.56) v1(95.08,51.78)
  In2.Cu w0.3: v2(92.39,69.53) arc(92.13,70.18) 91.48,70.45 88.52,70.45 arc(87.87,70.18) v2(87.61,69.53)
Board_5-+1V1: length 15.6
  Top w0.2: U4#5.45 13.02,25.05 arc(13.09,24.69) C10#3.2 ; U4#5.50 15.02,25.05 arc(15.09,24.69) C17#10.1 v1(15.3,24.11) ; v1(13.8,33.51) C19#8.1 13.83,33.2 arc(14.12,32.76) U4#5.23
  In2.Cu w0.2: 14.22,25.19 14.2,25.19 v1(13.09,24.09) ; 14.22,25.19 v1(15.3,24.11) ; 14.22,25.19 13.8,25.61 arc(13.43,26.16) 13.3,26.82 13.3,32.3 arc(13.42,32.96) v1(13.8,33.51)
Board_5-+3V3: length 20.9
  Top w0.2: v1(11.59,24.08) 11.59,24.36 11.95,24.71 arc(12.15,25.01) U4#5.43 ; R3#7.1 12.39,36.32 v1(12.37,36.34) 12.32,36.39 R1#9.1 ; U4#5.44 12.62,24.77 arc(12.58,24.58) 12.47,24.42 C9#3.2 v1(12.45,24.11) ; 11.41,29.81 C12#8.1 v1(10.14,29.81) ; R11#3.1 18.77,19.51 v1(18.8,19.47) ; 11.41,26.21 C13#9.1 10.43,25.57 v1(10.41,25.55) ; C11#6.1 14.62,33.21 U4#5.22 ; C16#2.1 18.12,24.11 v1(18.12,24.1) ; U4#5.48 14.22,24.93 arc(14.28,24.64) C14#5.1 ; U4#5.49 14.62,24.77 arc(14.58,24.58) 14.47,24.42 C14#5.1 ; C14#5.1 14.45,24.29 v1(14.62,24.11) ; 18.12,24.69 18.12,25.88 arc(18.16,26.06) U4#5.1 ; R2#4.1 v1(17,17.94) ; U4#5.10 18.58,29.81 arc(18.94,29.74) C15#2.1 v1(19.55,29.54) ; U3#8.8 11.39,18.81 v1(11.39,18.81) C6.1
  Top w0.3: U2#6.1 11.38,16.78 ; U5#4.1 19.62,22.32 arc(19.56,22.03) 19.4,21.79 19.39,21.78 arc(19.19,21.48) 19.12,21.13 U5#4.5 19.12,20.42 arc(19.07,20.19) 18.95,20 R11#3.1 ; C5#9.1 11.93,16.21 arc(12.25,16) 12.61,15.93
  vias: v1(14.64,33.51) v1(19.45,23.4) v1(20.23,17.89) v2(12.62,15.94)
